# Altium PCB OctopusPB_r0101.PcbDoc (part 9 of 11)
Units mm, origin at the board's own origin, x right, y up, seen from the top; angles counter-clockwise.
Board outline 318 x 80 mm, 4 copper layers (Top Layer, Layer 1, Layer 2, Bottom Layer), stack 1.567 mm thick; 1067 components, 459 nets, 3580 pads, 4392 vias.
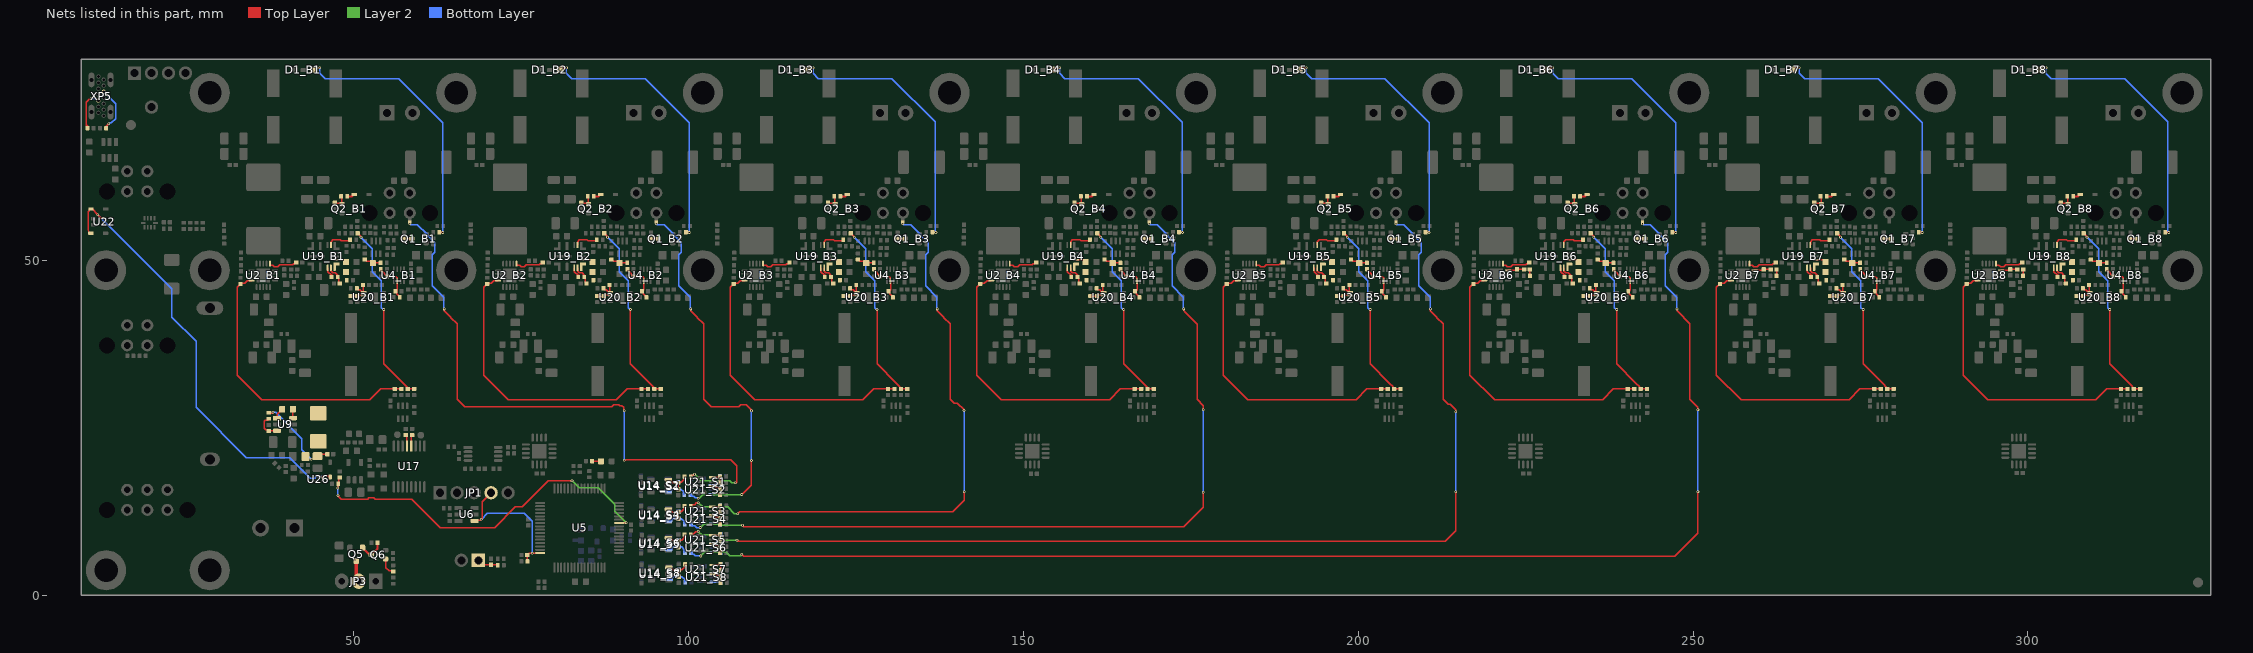
[diagram p11: the nets of this part, all layers, seen from the top]

## Via types
v1: diameter 0.4, hole 0.2, Top Layer to Bottom Layer, tented both sides, 4332 vias
v2: diameter 0.5, hole 0.2, Top Layer to Bottom Layer, tented both sides, 59 vias
v3: diameter 0.4, hole 0.2, Top Layer to Bottom Layer, 1 vias

## Nets (pads, with @x,y where several pads share a name; then routed paths per layer and width w, separated by ;. In a path a pad name is that pad's centre, name@x,y a point inside that pad or via, vN(x,y) a via of type N, cw(c..) or ccw(c..) an arc to the next point about the centre after c; other vN are vias at no path point) (continued)
NetC22_B6_1: C22_B6.1 C23_B6.1 U2_B6.8 | length 2.5
  Top Layer w0.2: U2_B6.8@222.349,48.477 223.575,48.477 C23_B6.1@223.727,48.629 223.732,48.634 224.757,48.634 C22_B6.1@224.762,48.639
NetC22_B6_2: C22_B6.2 R15_B6.2 | length 1
  Top Layer w0.2: R15_B6.2@225.632,47.664 225.637,47.669 225.637,48.634 C22_B6.2@225.642,48.639
NetC22_B7_1: C22_B7.1 C23_B7.1 U2_B7.8 | length 2.5
  Top Layer w0.2: U2_B7.8@259.174,48.477 260.4,48.477 C23_B7.1@260.552,48.629 260.557,48.634 261.582,48.634 C22_B7.1@261.587,48.639
NetC22_B7_2: C22_B7.2 R15_B7.2 | length 1
  Top Layer w0.2: R15_B7.2@262.457,47.664 262.462,47.669 262.462,48.634 C22_B7.2@262.467,48.639
NetC22_B8_1: C22_B8.1 C23_B8.1 U2_B8.8 | length 2.5
  Top Layer w0.2: U2_B8.8@295.999,48.477 297.225,48.477 C23_B8.1@297.377,48.629 297.382,48.634 298.407,48.634 C22_B8.1@298.412,48.639
NetC22_B8_2: C22_B8.2 R15_B8.2 | length 1
  Top Layer w0.2: R15_B8.2@299.282,47.664 299.287,47.669 299.287,48.634 C22_B8.2@299.292,48.639
NetC25_B1_1: C25_B1.1 U2_B1.9 | length 4.5
  Top Layer w0.2: U2_B1.9@37.474,49.477 37.474,49.265 37.511,49.228 37.914,49.228 38.142,49 38.64,49 38.94,49.3 40.868,49.3 41.008,49.44 41.2,49.44 C25_B1.1@41.41,49.65
NetC25_B2_1: C25_B2.1 U2_B2.9 | length 4.5
  Top Layer w0.2: U2_B2.9@74.299,49.477 74.299,49.265 74.336,49.228 74.739,49.228 74.967,49 75.465,49 75.765,49.3 77.693,49.3 77.833,49.44 78.025,49.44 C25_B2.1@78.235,49.65
NetC25_B3_1: C25_B3.1 U2_B3.9 | length 4.5
  Top Layer w0.2: U2_B3.9@111.124,49.477 111.124,49.265 111.161,49.228 111.564,49.228 111.792,49 112.29,49 112.59,49.3 114.518,49.3 114.658,49.44 114.85,49.44 C25_B3.1@115.06,49.65
NetC25_B4_1: C25_B4.1 U2_B4.9 | length 4.5
  Top Layer w0.2: U2_B4.9@147.949,49.477 147.949,49.265 147.986,49.228 148.389,49.228 148.617,49 149.115,49 149.415,49.3 151.343,49.3 151.483,49.44 151.675,49.44 C25_B4.1@151.885,49.65
NetC25_B5_1: C25_B5.1 U2_B5.9 | length 4.5
  Top Layer w0.2: U2_B5.9@184.774,49.477 184.774,49.265 184.811,49.228 185.214,49.228 185.442,49 185.94,49 186.24,49.3 188.168,49.3 188.308,49.44 188.5,49.44 C25_B5.1@188.71,49.65
NetC25_B6_1: C25_B6.1 U2_B6.9 | length 4.5
  Top Layer w0.2: U2_B6.9@221.599,49.477 221.599,49.265 221.636,49.228 222.039,49.228 222.267,49 222.765,49 223.065,49.3 224.993,49.3 225.133,49.44 225.325,49.44 C25_B6.1@225.535,49.65
NetC25_B7_1: C25_B7.1 U2_B7.9 | length 4.5
  Top Layer w0.2: U2_B7.9@258.424,49.477 258.424,49.265 258.461,49.228 258.864,49.228 259.092,49 259.59,49 259.89,49.3 261.818,49.3 261.958,49.44 262.15,49.44 C25_B7.1@262.36,49.65
NetC25_B8_1: C25_B8.1 U2_B8.9 | length 4.5
  Top Layer w0.2: U2_B8.9@295.249,49.477 295.249,49.265 295.286,49.228 295.689,49.228 295.917,49 296.415,49 296.715,49.3 298.643,49.3 298.783,49.44 298.975,49.44 C25_B8.1@299.185,49.65
NetC26_B1_1: C26_B1.1 R20_B1.2 R21_B1.1 | length 2.7
  Top Layer w0.2: R20_B1.2@51.625,50.095 51.665,50.095 51.95,49.81 52.59,49.81 C26_B1.1@52.85,49.55 52.9,49.6 R21_B1.1@53.995,49.6 ; R21_B1.1@53.995,49.525 R21_B1.1@54.045,49.575
NetC26_B2_1: C26_B2.1 R20_B2.2 R21_B2.1 | length 2.7
  Top Layer w0.2: R20_B2.2@88.45,50.095 88.49,50.095 88.775,49.81 89.415,49.81 C26_B2.1@89.675,49.55 89.725,49.6 R21_B2.1@90.82,49.6 ; R21_B2.1@90.82,49.525 R21_B2.1@90.87,49.575
NetC26_B3_1: C26_B3.1 R20_B3.2 R21_B3.1 | length 2.7
  Top Layer w0.2: R20_B3.2@125.275,50.095 125.315,50.095 125.6,49.81 126.24,49.81 C26_B3.1@126.5,49.55 126.55,49.6 R21_B3.1@127.645,49.6 ; R21_B3.1@127.645,49.525 R21_B3.1@127.695,49.575
NetC26_B4_1: C26_B4.1 R20_B4.2 R21_B4.1 | length 2.7
  Top Layer w0.2: R20_B4.2@162.1,50.095 162.14,50.095 162.425,49.81 163.065,49.81 C26_B4.1@163.325,49.55 163.375,49.6 R21_B4.1@164.47,49.6 ; R21_B4.1@164.47,49.525 R21_B4.1@164.52,49.575
NetC26_B5_1: C26_B5.1 R20_B5.2 R21_B5.1 | length 2.7
  Top Layer w0.2: R20_B5.2@198.925,50.095 198.965,50.095 199.25,49.81 199.89,49.81 C26_B5.1@200.15,49.55 200.2,49.6 R21_B5.1@201.295,49.6 ; R21_B5.1@201.295,49.525 R21_B5.1@201.345,49.575
NetC26_B6_1: C26_B6.1 R20_B6.2 R21_B6.1 | length 2.7
  Top Layer w0.2: R20_B6.2@235.75,50.095 235.79,50.095 236.075,49.81 236.715,49.81 C26_B6.1@236.975,49.55 237.025,49.6 R21_B6.1@238.12,49.6 ; R21_B6.1@238.12,49.525 R21_B6.1@238.17,49.575
NetC26_B7_1: C26_B7.1 R20_B7.2 R21_B7.1 | length 2.7
  Top Layer w0.2: R20_B7.2@272.575,50.095 272.615,50.095 272.9,49.81 273.54,49.81 C26_B7.1@273.8,49.55 273.85,49.6 R21_B7.1@274.945,49.6 ; R21_B7.1@274.945,49.525 R21_B7.1@274.995,49.575
NetC26_B8_1: C26_B8.1 R20_B8.2 R21_B8.1 | length 2.7
  Top Layer w0.2: R20_B8.2@309.4,50.095 309.44,50.095 309.725,49.81 310.365,49.81 C26_B8.1@310.625,49.55 310.675,49.6 R21_B8.1@311.77,49.6 ; R21_B8.1@311.77,49.525 R21_B8.1@311.82,49.575
NetC38_1: C38.1 JP2.1 R43.1 | length 3.2
  Top Layer w0.2: JP2.1@68.585,5.175 69.235,4.525 C38.1@70.47,4.525 70.507,4.487 71.452,4.487 R43.1@71.49,4.45
NetC48_1: C48.1 U9.1 | length 1.6
  Top Layer w0.2: U9.1@38.525,26.425 38.575,26.475 38.575,27 39.3,27.725 C48.1@39.3,27.75
NetC48_2: C48.2 L4.1 U9.6 | length 1.3
  Top Layer w0.2: C48.2@40.9,27.75 40.9,26.45 U9.6@40.925,26.425
NetC52_1: C52.1 C54.1 FB4.1 L4.2 R44.2 | length 11.9
  Top Layer w0.2: R44.2@37.3,27.23 37.38,27.15 37.808,27.15 37.925,27.267 v1(37.925,27.275) ; FB4.1@44.575,20.75 44.85,21.025 C54.1@46.035,21.025
  Bottom Layer w0.2: v1(37.925,27.275) 38.35,27.275 42.25,23.375 42.25,21.675 v1(43.65,20.275)
NetC58_S1_1: C58_S1.1 R18_S1.2 R53_S1.1 U14_S1.3 | length 4.2
  Top Layer w0.2: U14_S1.3@96.975,17.185 97.252,17.185 97.657,16.78 R18_S1.2@98.45,16.78 ; C58_S1.1@98.45,15.8 R18_S1.2@98.45,16.78 ; R53_S1.1@99.395,17.685 99.3,17.59 99.3,17.235 98.9,16.835 98.505,16.835 R18_S1.2@98.45,16.78
NetC58_S2_1: C58_S2.1 R18_S2.2 R53_S2.1 U14_S2.3 | length 4.2
  Bottom Layer w0.2: U14_S2.3@96.923,15.473 97.2,15.473 97.605,15.878 R18_S2.2@98.398,15.878 ; C58_S2.1@98.398,16.858 R18_S2.2@98.398,15.878 ; R53_S2.1@99.343,14.973 99.248,15.068 99.248,15.423 98.848,15.823 98.453,15.823 R18_S2.2@98.398,15.878
NetC58_S3_1: C58_S3.1 R18_S3.2 R53_S3.1 U14_S3.3 | length 4.2
  Top Layer w0.2: U14_S3.3@96.975,12.79 97.252,12.79 97.657,12.385 R18_S3.2@98.45,12.385 ; C58_S3.1@98.45,11.405 R18_S3.2@98.45,12.385 ; R53_S3.1@99.395,13.29 99.3,13.195 99.3,12.84 98.9,12.44 98.505,12.44 R18_S3.2@98.45,12.385
NetC58_S4_1: C58_S4.1 R18_S4.2 R53_S4.1 U14_S4.3 | length 4.2
  Bottom Layer w0.2: U14_S4.3@96.995,11.06 97.272,11.06 97.677,11.465 R18_S4.2@98.47,11.465 ; C58_S4.1@98.47,12.445 R18_S4.2@98.47,11.465 ; R53_S4.1@99.415,10.56 99.32,10.655 99.32,11.01 98.92,11.41 98.525,11.41 R18_S4.2@98.47,11.465
NetC58_S5_1: C58_S5.1 R18_S5.2 R53_S5.1 U14_S5.3 | length 4.2
  Top Layer w0.2: U14_S5.3@97.025,8.515 97.302,8.515 97.707,8.11 R18_S5.2@98.5,8.11 ; C58_S5.1@98.5,7.13 R18_S5.2@98.5,8.11 ; R53_S5.1@99.445,9.015 99.35,8.92 99.35,8.565 98.95,8.165 98.555,8.165 R18_S5.2@98.5,8.11
NetC58_S6_1: C58_S6.1 R18_S6.2 R53_S6.1 U14_S6.3 | length 4.2
  Bottom Layer w0.2: U14_S6.3@97.025,6.825 97.302,6.825 97.707,7.23 R18_S6.2@98.5,7.23 ; C58_S6.1@98.5,8.21 R18_S6.2@98.5,7.23 ; R53_S6.1@99.445,6.325 99.35,6.42 99.35,6.775 98.95,7.175 98.555,7.175 R18_S6.2@98.5,7.23
NetC58_S7_1: C58_S7.1 R18_S7.2 R53_S7.1 U14_S7.3 | length 4.2
  Top Layer w0.2: U14_S7.3@97.055,4.1 97.332,4.1 97.737,3.695 R18_S7.2@98.53,3.695 ; C58_S7.1@98.53,2.715 R18_S7.2@98.53,3.695 ; R53_S7.1@99.475,4.6 99.38,4.505 99.38,4.15 98.98,3.75 98.585,3.75 R18_S7.2@98.53,3.695
NetC58_S8_1: C58_S8.1 R18_S8.2 R53_S8.1 U14_S8.3 | length 4.2
  Bottom Layer w0.2: U14_S8.3@97.07,2.385 97.347,2.385 97.752,2.79 R18_S8.2@98.545,2.79 ; C58_S8.1@98.545,3.77 R18_S8.2@98.545,2.79 ; R53_S8.1@99.49,1.885 99.395,1.98 99.395,2.335 98.995,2.735 98.6,2.735 R18_S8.2@98.545,2.79
NetC70_B1_1: C70_B1.1 R102_B1.2 R103_B1.2 | length 27.4
  Top Layer w0.2: C70_B1.1@50.565,54.025 50.585,54.025 51.021,53.589 51.021,53.445 v1(51.059,53.406) ; v1(54.478,42.652) 54.478,34.522 57.35,31.65 58.05,30.95 R102_B1.2@58.05,30.78 R103_B1.2@59,30.78
  Bottom Layer w0.2: v1@51.021,53.368 v1(51.059,53.406) 52.775,51.691 52.775,48.275 54.125,46.925 54.125,42.9 54.373,42.652 v1(54.478,42.652)
NetC70_B2_1: C70_B2.1 R102_B2.2 R103_B2.2 | length 27.3
  Top Layer w0.2: C70_B2.1@87.39,54.025 87.41,54.025 87.846,53.589 87.846,53.445 v1(87.884,53.406) ; v1(91.303,42.652) 91.303,34.522 94.175,31.65 95.045,30.78 R103_B2.2@95.825,30.78
  Bottom Layer w0.2: v1@87.846,53.368 v1(87.884,53.406) 89.6,51.691 89.6,48.275 90.95,46.925 90.95,42.9 91.198,42.652 v1(91.303,42.652)
NetC70_B3_1: C70_B3.1 R102_B3.2 R103_B3.2 | length 27.4
  Top Layer w0.2: C70_B3.1@124.215,54.025 124.235,54.025 124.671,53.589 124.671,53.445 v1(124.709,53.406) ; v1(128.128,42.652) 128.128,34.522 131,31.65 131.55,31.1 131.55,30.93 R102_B3.2@131.7,30.78 R103_B3.2@132.65,30.78
  Bottom Layer w0.2: v1@124.671,53.368 v1(124.709,53.406) 126.425,51.691 126.425,48.275 127.775,46.925 127.775,42.9 128.023,42.652 v1(128.128,42.652)
NetC70_B4_1: C70_B4.1 R102_B4.2 R103_B4.2 | length 27.4
  Top Layer w0.2: C70_B4.1@161.04,54.025 161.06,54.025 161.496,53.589 161.496,53.445 v1(161.534,53.406) ; v1(164.953,42.652) 164.953,34.522 R102_B4.2@168.61,30.865 ; R102_B4.2@168.525,30.78 R103_B4.2@169.475,30.78
  Bottom Layer w0.2: v1@161.496,53.368 v1(161.534,53.406) 163.25,51.691 163.25,48.275 164.6,46.925 164.6,42.9 164.848,42.652 v1(164.953,42.652)
NetC70_B5_1: C70_B5.1 R102_B5.2 R103_B5.2 | length 27
  Top Layer w0.2: C70_B5.1@197.865,54.025 197.885,54.025 198.321,53.589 198.321,53.445 v1(198.359,53.406) ; v1(201.778,42.652) 201.778,34.522 204.65,31.65 205.2,31.1 ; R102_B5.2@205.35,30.78 R103_B5.2@206.3,30.78
  Bottom Layer w0.2: v1@198.321,53.368 v1(198.359,53.406) 200.075,51.691 200.075,48.275 201.425,46.925 201.425,42.9 201.673,42.652 v1(201.778,42.652)
NetC70_B6_1: C70_B6.1 R102_B6.2 R103_B6.2 | length 27
  Top Layer w0.2: C70_B6.1@234.69,54.025 234.71,54.025 235.146,53.589 235.146,53.445 v1(235.184,53.406) ; v1(238.603,42.652) 238.603,34.522 241.475,31.65 242.025,31.1 ; R102_B6.2@242.175,30.78 R103_B6.2@243.125,30.78
  Bottom Layer w0.2: v1@235.146,53.368 v1(235.184,53.406) 236.9,51.691 236.9,48.275 238.25,46.925 238.25,42.9 238.498,42.652 v1(238.603,42.652)
NetC70_B7_1: C70_B7.1 R102_B7.2 R103_B7.2 | length 27.4
  Top Layer w0.2: C70_B7.1@271.515,54.025 271.535,54.025 271.971,53.589 271.971,53.445 v1(272.009,53.406) ; v1(275.428,42.652) 275.428,34.522 278.3,31.65 278.96,30.99 278.96,30.78 R102_B7.2@279,30.78 R103_B7.2@279.95,30.78
  Bottom Layer w0.2: v1@271.971,53.368 v1(272.009,53.406) 273.725,51.691 273.725,48.275 275.075,46.925 275.075,42.9 275.323,42.652 v1(275.428,42.652)
NetC70_B8_1: C70_B8.1 R102_B8.2 R103_B8.2 | length 27
  Top Layer w0.2: C70_B8.1@308.34,54.025 308.36,54.025 308.796,53.589 308.796,53.445 v1(308.834,53.406) ; v1(312.253,42.652) 312.253,34.522 315.125,31.65 315.675,31.1 ; R102_B8.2@315.825,30.78 R103_B8.2@316.775,30.78
  Bottom Layer w0.2: v1@308.796,53.368 v1(308.834,53.406) 310.55,51.691 310.55,48.275 311.9,46.925 311.9,42.9 312.148,42.652 v1(312.253,42.652)
NetC71_B1_2: C71_B1.2 R65_B1.2 U19_B1.14 | length 2.4
  Top Layer w0.2: U19_B1.14@46.575,48.875 46.6,48.85 46.6,48.371 46.846,48.125 47.25,48.125 R65_B1.2@47.6,47.775 ; C71_B1.2@47.75,46.65 R65_B1.2@47.75,47.335
NetC71_B2_2: C71_B2.2 R65_B2.2 U19_B2.14 | length 2.4
  Top Layer w0.2: U19_B2.14@83.4,48.875 83.425,48.85 83.425,48.371 83.671,48.125 84.075,48.125 R65_B2.2@84.425,47.775 ; C71_B2.2@84.575,46.65 R65_B2.2@84.575,47.335
NetC71_B3_2: C71_B3.2 R65_B3.2 U19_B3.14 | length 2.4
  Top Layer w0.2: U19_B3.14@120.225,48.875 120.25,48.85 120.25,48.371 120.496,48.125 120.9,48.125 R65_B3.2@121.25,47.775 ; C71_B3.2@121.4,46.65 R65_B3.2@121.4,47.335
NetC71_B4_2: C71_B4.2 R65_B4.2 U19_B4.14 | length 2.4
  Top Layer w0.2: U19_B4.14@157.05,48.875 157.075,48.85 157.075,48.371 157.321,48.125 157.725,48.125 R65_B4.2@158.075,47.775 ; C71_B4.2@158.225,46.65 R65_B4.2@158.225,47.335
NetC71_B5_2: C71_B5.2 R65_B5.2 U19_B5.14 | length 2.4
  Top Layer w0.2: U19_B5.14@193.875,48.875 193.9,48.85 193.9,48.371 194.146,48.125 194.55,48.125 R65_B5.2@194.9,47.775 ; C71_B5.2@195.05,46.65 R65_B5.2@195.05,47.335
NetC71_B6_2: C71_B6.2 R65_B6.2 U19_B6.14 | length 2.4
  Top Layer w0.2: U19_B6.14@230.7,48.875 230.725,48.85 230.725,48.371 230.971,48.125 231.375,48.125 R65_B6.2@231.725,47.775 ; C71_B6.2@231.875,46.65 R65_B6.2@231.875,47.335
NetC71_B7_2: C71_B7.2 R65_B7.2 U19_B7.14 | length 2.4
  Top Layer w0.2: U19_B7.14@267.525,48.875 267.55,48.85 267.55,48.371 267.796,48.125 268.2,48.125 R65_B7.2@268.55,47.775 ; C71_B7.2@268.7,46.65 R65_B7.2@268.7,47.335
NetC71_B8_2: C71_B8.2 R65_B8.2 U19_B8.14 | length 2.4
  Top Layer w0.2: U19_B8.14@304.35,48.875 304.375,48.85 304.375,48.371 304.621,48.125 305.025,48.125 R65_B8.2@305.375,47.775 ; C71_B8.2@305.525,46.65 R65_B8.2@305.525,47.335
NetC72_B1_1: C72_B1.1 U19_B1.2 | length 1.2
  Top Layer w0.2: U19_B1.2@47.4,50.05 48.6,50.05 C72_B1.1@48.625,50.025
NetC72_B2_1: C72_B2.1 U19_B2.2 | length 1.2
  Top Layer w0.2: U19_B2.2@84.225,50.05 85.425,50.05 C72_B2.1@85.45,50.025
NetC72_B3_1: C72_B3.1 U19_B3.2 | length 1.2
  Top Layer w0.2: U19_B3.2@121.05,50.05 122.25,50.05 C72_B3.1@122.275,50.025
NetC72_B4_1: C72_B4.1 U19_B4.2 | length 1.2
  Top Layer w0.2: U19_B4.2@157.875,50.05 159.075,50.05 C72_B4.1@159.1,50.025
NetC72_B5_1: C72_B5.1 U19_B5.2 | length 1.2
  Top Layer w0.2: U19_B5.2@194.7,50.05 195.9,50.05 C72_B5.1@195.925,50.025
NetC72_B6_1: C72_B6.1 U19_B6.2 | length 1.2
  Top Layer w0.2: U19_B6.2@231.525,50.05 232.725,50.05 C72_B6.1@232.75,50.025
NetC72_B7_1: C72_B7.1 U19_B7.2 | length 1.2
  Top Layer w0.2: U19_B7.2@268.35,50.05 269.55,50.05 C72_B7.1@269.575,50.025
NetC72_B8_1: C72_B8.1 U19_B8.2 | length 1.2
  Top Layer w0.2: U19_B8.2@305.175,50.05 306.375,50.05 C72_B8.1@306.4,50.025
NetC77_B1_1: C77_B1.1 R83_B1.1 U19_B1.1
NetC77_B2_1: C77_B2.1 R83_B2.1 U19_B2.1
NetC77_B3_1: C77_B3.1 R83_B3.1 U19_B3.1
NetC77_B4_1: C77_B4.1 R83_B4.1 U19_B4.1
NetC77_B5_1: C77_B5.1 R83_B5.1 U19_B5.1
NetC77_B6_1: C77_B6.1 R83_B6.1 U19_B6.1
NetC77_B7_1: C77_B7.1 R83_B7.1 U19_B7.1
NetC77_B8_1: C77_B8.1 R83_B8.1 U19_B8.1
NetD1_B1_2: D1_B1.2 R19_B1.1 | length 40.2
  Top Layer w0.2: D1_B1.2@43.95,78.5 44.2,78.75 v1(44.925,78.75) ; R19_B1.1@62.755,54.2 62.78,54.175 63.25,54.175 v1(63.275,54.15)
  Bottom Layer w0.2: v1(44.925,78.75) 44.925,77.918 45.718,77.125 56.684,77.125 63.275,70.534 v1(63.275,54.15)
NetD1_B2_2: D1_B2.2 R19_B2.1 | length 40.2
  Top Layer w0.2: D1_B2.2@80.775,78.5 81.025,78.75 v1(81.75,78.75) ; R19_B2.1@99.58,54.2 99.605,54.175 100.075,54.175 v1(100.1,54.15)
  Bottom Layer w0.2: v1(81.75,78.75) 81.75,77.918 82.543,77.125 93.509,77.125 100.1,70.534 v1(100.1,54.15)
NetD1_B3_2: D1_B3.2 R19_B3.1 | length 40.2
  Top Layer w0.2: D1_B3.2@117.6,78.5 117.85,78.75 v1(118.575,78.75) ; R19_B3.1@136.405,54.2 136.43,54.175 136.9,54.175 v1(136.925,54.15)
  Bottom Layer w0.2: v1(118.575,78.75) 118.575,77.918 119.368,77.125 130.334,77.125 136.8,70.659 136.8,54.3 136.925,54.175 v1(136.925,54.15)
NetD1_B4_2: D1_B4.2 R19_B4.1 | length 40.2
  Top Layer w0.2: D1_B4.2@154.425,78.5 154.675,78.75 v1(155.4,78.75) ; R19_B4.1@173.23,54.2 173.255,54.175 173.725,54.175 v1(173.75,54.15)
  Bottom Layer w0.2: v1(155.4,78.75) 155.4,77.918 156.193,77.125 167.159,77.125 173.7,70.584 173.7,54.225 173.75,54.175 v1(173.75,54.15)
NetD1_B5_2: D1_B5.2 R19_B5.1 | length 40.2
  Top Layer w0.2: D1_B5.2@191.25,78.5 191.5,78.75 v1(192.225,78.75) ; R19_B5.1@210.055,54.2 210.08,54.175 210.55,54.175 v1(210.575,54.15)
  Bottom Layer w0.2: v1(192.225,78.75) 192.225,77.918 193.018,77.125 203.984,77.125 210.575,70.534 v1(210.575,54.15)
NetD1_B6_2: D1_B6.2 R19_B6.1 | length 40.2
  Top Layer w0.2: D1_B6.2@228.075,78.5 228.325,78.75 v1(229.05,78.75) ; R19_B6.1@246.88,54.2 246.905,54.175 247.375,54.175 v1(247.4,54.15)
  Bottom Layer w0.2: v1(229.05,78.75) 229.05,77.918 229.843,77.125 240.809,77.125 247.4,70.534 247.4,54.175 v1(247.4,54.15)
NetD1_B7_2: D1_B7.2 R19_B7.1 | length 40.2
  Top Layer w0.2: D1_B7.2@264.9,78.5 265.15,78.75 v1(265.875,78.75) ; R19_B7.1@283.705,54.2 283.73,54.175 284.2,54.175 v1(284.225,54.15)
  Bottom Layer w0.2: v1(265.875,78.75) 265.875,77.918 266.668,77.125 277.634,77.125 284.2,70.559 284.2,54.2 284.225,54.175 v1(284.225,54.15)
NetD1_B8_2: D1_B8.2 R19_B8.1 | length 40.2
  Top Layer w0.2: D1_B8.2@301.725,78.5 301.975,78.75 v1(302.7,78.75) ; R19_B8.1@320.53,54.2 320.555,54.175 321.025,54.175 v1(321.05,54.15)
  Bottom Layer w0.2: v1(302.7,78.75) 302.7,77.918 303.493,77.125 314.459,77.125 320.9,70.684 320.9,54.325 321.05,54.175 v1(321.05,54.15)
NetD2_1: D2.1 R34.2 | length 1.3
  Top Layer w0.2: R34.2@85.58,20 86.875,20 D2.1@86.9,19.975
NetD3_1: D3.1 D6.1 D7.1 U22.A1 U26.A1 | length 66.5
  Top Layer w0.2: D6.1@10.725,54.025 10.589,54.025 10.44,54.173 10.44,54.31 10.3,54.45 10.3,57.205 10.461,57.365 10.461,57.502 10.609,57.65 D3.1@10.745,57.65 10.895,57.65 v1(11.773,56.773) 12.261,56.285 12.465,56.285 U22.A1@12.475,56.275 ; U26.A1@45.2,17.55 45.4,17.75 v1(45.725,17.75) 46.194,17.75 46.385,17.56 D7.1@46.45,17.625
  Bottom Layer w0.2: v1(11.773,56.773) 22.8,45.745 22.8,41.5 26.425,37.875 26.425,28.012 33.937,20.5 40.455,20.5 43.48,17.475 44.132,17.475 44.407,17.75 v1(45.725,17.75)
NetD5_B1_2: D5_B1.2 R14_B1.2 | length 1.2
  Top Layer w0.3: R14_B1.2@49.005,59.55 49.74,59.55 49.8,59.61 49.8,59.725 49.9,59.825 D5_B1.2@50.05,59.825
NetD5_B2_2: D5_B2.2 R14_B2.2 | length 1.2
  Top Layer w0.3: R14_B2.2@85.83,59.55 86.565,59.55 86.625,59.61 86.625,59.725 86.725,59.825 D5_B2.2@86.875,59.825
NetD5_B3_2: D5_B3.2 R14_B3.2 | length 1.2
  Top Layer w0.3: R14_B3.2@122.655,59.55 123.39,59.55 123.45,59.61 123.45,59.725 123.55,59.825 D5_B3.2@123.7,59.825
NetD5_B4_2: D5_B4.2 R14_B4.2 | length 1.2
  Top Layer w0.3: R14_B4.2@159.48,59.55 160.215,59.55 160.275,59.61 160.275,59.725 160.375,59.825 D5_B4.2@160.525,59.825
NetD5_B5_2: D5_B5.2 R14_B5.2 | length 1.2
  Top Layer w0.3: R14_B5.2@196.305,59.55 197.04,59.55 197.1,59.61 197.1,59.725 197.2,59.825 D5_B5.2@197.35,59.825
NetD5_B6_2: D5_B6.2 R14_B6.2 | length 1.2
  Top Layer w0.3: R14_B6.2@233.13,59.55 233.865,59.55 233.925,59.61 233.925,59.725 234.025,59.825 D5_B6.2@234.175,59.825
NetD5_B7_2: D5_B7.2 R14_B7.2 | length 1.2
  Top Layer w0.3: R14_B7.2@269.955,59.55 270.69,59.55 270.75,59.61 270.75,59.725 270.85,59.825 D5_B7.2@271,59.825
NetD5_B8_2: D5_B8.2 R14_B8.2 | length 1.2
  Top Layer w0.3: R14_B8.2@306.78,59.55 307.515,59.55 307.575,59.61 307.575,59.725 307.675,59.825 D5_B8.2@307.825,59.825
NetJP3_2: JP3.2 Q5.3 | length 3.2
  Top Layer w0.5: Q5.3@50.35,5.075 50.35,3.006 50.725,2.631 JP3.2@50.725,2.075
NetQ1_B1_3: Q1_B1.3 R62_B1.1 | length 1.1
  Top Layer w0.2: R62_B1.1@57.56,53.235 Q1_B1.3@58.64,53.235
NetQ1_B2_3: Q1_B2.3 R62_B2.1 | length 1.1
  Top Layer w0.2: R62_B2.1@94.385,53.235 Q1_B2.3@95.465,53.235
NetQ1_B3_3: Q1_B3.3 R62_B3.1 | length 1.1
  Top Layer w0.2: R62_B3.1@131.21,53.235 Q1_B3.3@132.29,53.235
NetQ1_B4_3: Q1_B4.3 R62_B4.1 | length 1.1
  Top Layer w0.2: R62_B4.1@168.035,53.235 Q1_B4.3@169.115,53.235
NetQ1_B5_3: Q1_B5.3 R62_B5.1 | length 1.1
  Top Layer w0.2: R62_B5.1@204.86,53.235 Q1_B5.3@205.94,53.235
NetQ1_B6_3: Q1_B6.3 R62_B6.1 | length 1.1
  Top Layer w0.2: R62_B6.1@241.685,53.235 Q1_B6.3@242.765,53.235
NetQ1_B7_3: Q1_B7.3 R62_B7.1 | length 1.1
  Top Layer w0.2: R62_B7.1@278.51,53.235 Q1_B7.3@279.59,53.235
NetQ1_B8_3: Q1_B8.3 R62_B8.1 | length 1.1
  Top Layer w0.2: R62_B8.1@315.335,53.235 Q1_B8.3@316.415,53.235
NetQ2_B1_1: Q2_B1.1 R14_B1.1 R16_B1.2 | length 2.3
  Top Layer w0.2: R16_B1.2@47.15,58.605 47.278,58.478 48.098,58.478 Q2_B1.1@48.16,58.415 ; R14_B1.1@48.095,59.55 48.16,59.485 Q2_B1.1@48.16,58.415 ; Q2_B1.1@48.225,58.35 Q2_B1.1@48.16,58.415
NetQ2_B2_1: Q2_B2.1 R14_B2.1 R16_B2.2 | length 2.3
  Top Layer w0.2: R16_B2.2@83.975,58.605 84.103,58.478 84.923,58.478 Q2_B2.1@84.985,58.415 ; R14_B2.1@84.92,59.55 84.985,59.485 Q2_B2.1@84.985,58.415 ; Q2_B2.1@85.05,58.35 Q2_B2.1@84.985,58.415
NetQ2_B3_1: Q2_B3.1 R14_B3.1 R16_B3.2 | length 2.3
  Top Layer w0.2: R16_B3.2@120.8,58.605 120.928,58.478 121.748,58.478 Q2_B3.1@121.81,58.415 ; R14_B3.1@121.745,59.55 121.81,59.485 Q2_B3.1@121.81,58.415 ; Q2_B3.1@121.875,58.35 Q2_B3.1@121.81,58.415
NetQ2_B4_1: Q2_B4.1 R14_B4.1 R16_B4.2 | length 2.3
  Top Layer w0.2: R16_B4.2@157.625,58.605 157.753,58.478 158.573,58.478 Q2_B4.1@158.635,58.415 ; R14_B4.1@158.57,59.55 158.635,59.485 Q2_B4.1@158.635,58.415 ; Q2_B4.1@158.7,58.35 Q2_B4.1@158.635,58.415
NetQ2_B5_1: Q2_B5.1 R14_B5.1 R16_B5.2 | length 2.3
  Top Layer w0.2: R16_B5.2@194.45,58.605 194.578,58.478 195.398,58.478 Q2_B5.1@195.46,58.415 ; R14_B5.1@195.395,59.55 195.46,59.485 Q2_B5.1@195.46,58.415 ; Q2_B5.1@195.525,58.35 Q2_B5.1@195.46,58.415